# Altium PCB Rev5_FE_Test_V2.PCBDOC (part 2 of 2)
Units mm, origin at the board's own origin, x right, y up, seen from the top; angles counter-clockwise.
Board outline 100 x 23.5 mm, 6 copper layers (Top Layer, Int1 (GND), Int2 (Sign), Int3 (Sign), Int4 (GND), Bottom Layer), stack 1.49 mm thick; 160 components, 83 nets, 445 pads, 281 vias.
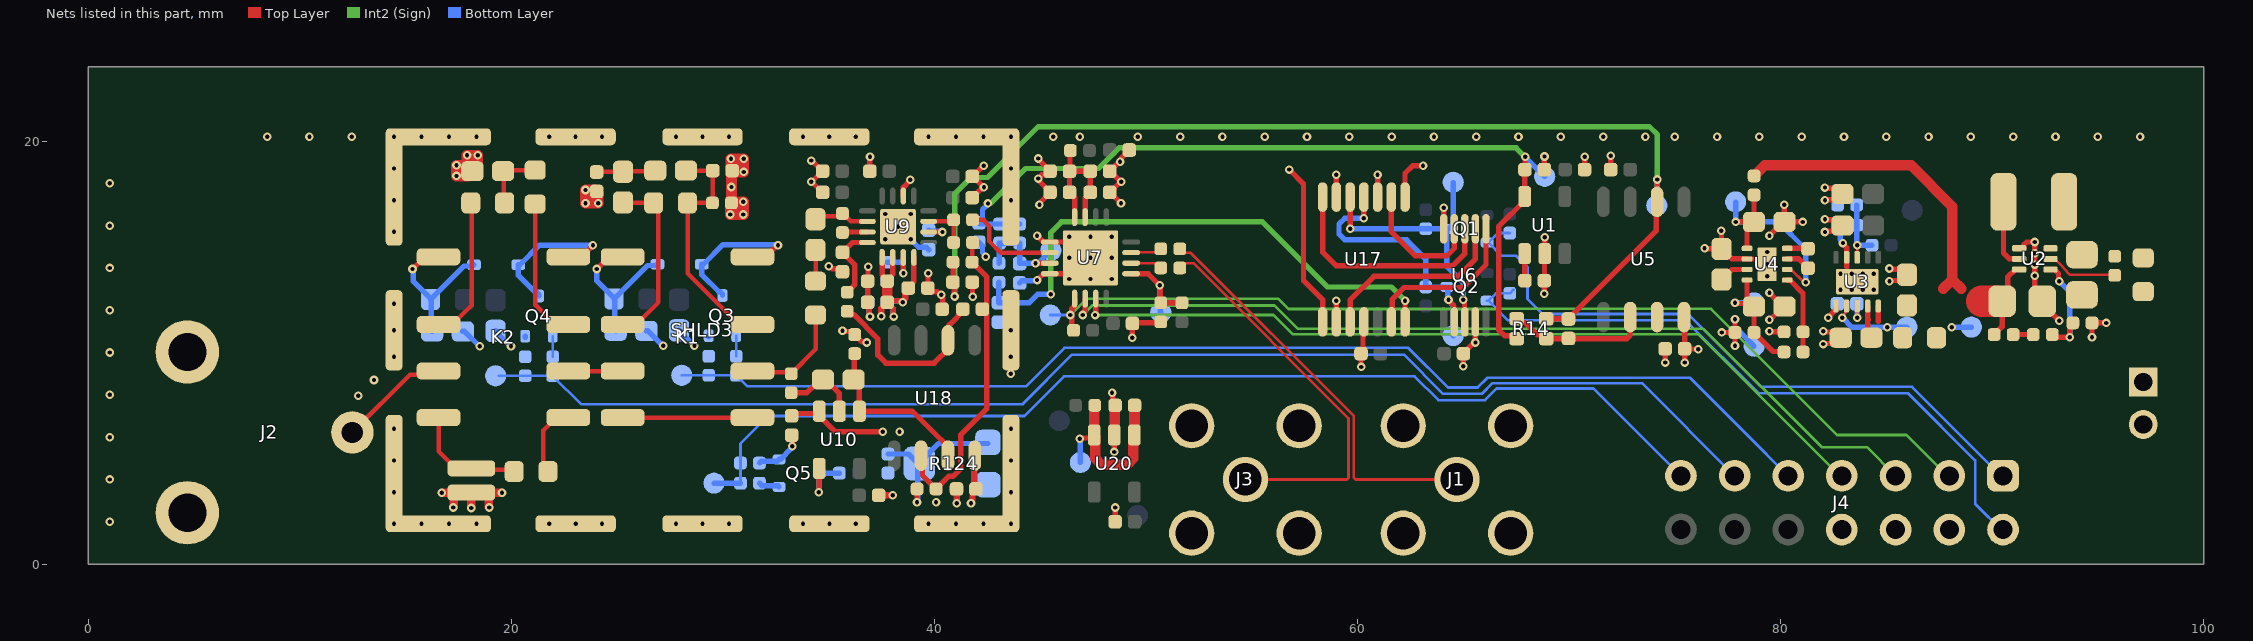
[diagram p6: the nets of this part, all layers, seen from the top]

## Via types
v1: diameter 0.406, hole 0.203, Top Layer to Bottom Layer, tented both sides, 281 vias

## Nets (pads, with @x,y where several pads share a name; then routed paths per layer and width w, separated by ;. In a path a pad name is that pad's centre, name@x,y a point inside that pad or via, vN(x,y) a via of type N, cw(c..) or ccw(c..) an arc to the next point about the centre after c; other vN are vias at no path point) (continued)
+5V2: C3.2 R7.1 R8.1 R10.2 TP4.1 U2.6 | length 20.3
  Top Layer w0.254: R8.1@78.75,18.35 R8.1@78.763,18.363 ; R10.2@90.1,10.85 90.475,11.225 C3.2@90.475,12.425 ; C3.2@90.45,12.45 C3.2@90.475,12.425 ; U2.6@91.285,13.925 91.1,13.925 90.737,13.562 90.737,12.687 C3.2@90.475,12.425
  Top Layer w0.5: R8.1@78.75,18.35 79.25,18.85 86.175,18.85 88.125,16.9 ; 87.7,13.025 88.075,13.4 88.125,13.4 88.125,16.85 ; 88.175,13.4 88.55,13.025 ; 89.525,12.425 89.525,12.45
  Top Layer w1.5: 89.525,12.425 C3.2@90.2,12.425
  Bottom Layer w0.254: v1(88.1,11.2) TP4.1@89.025,11.2
+VBIAS: C18.1 C130.1 R14.2 R118.2 R119.1 TP17.1 U1.5 | length 40.7
  Top Layer w0.254: R14.2@67.525,10.655 67.394,10.786 66.964,10.786 66.675,11.075 66.675,15.95 67.9,17.175 U1.5@67.9,17.375 67.9,18.685 67.92,18.705 67.92,19.245 v1(67.925,19.25)
  Int2 (Sign) w0.254: v1(42.525,17.05) 42.554,17.079 42.679,17.079 44.3,18.7 47.75,18.7 48.725,19.675 67.5,19.675 v1(67.925,19.25)
  Bottom Layer w0.254: v1(42.525,17.05) 42.525,17.009 42.273,16.756 42.273,16.308 C130.1@42.1,16.135 42.16,16.075 R118.2@43.075,16.075 R119.1@44.025,16.075 ; v1(67.925,19.25) TP17.1@68.85,18.325
+VPGA: C32.2 C33.2 C34.2 C35.2 FB8.1 U7.3 U7.4 | length 6.6
  Top Layer w0.25: C34.2@46.385,18.594 C32.2@46.385,17.575 46.385,17.556 46.625,17.316 U7.4@46.625,16.4 ; FB8.1@46.405,19.57 FB8.1@46.425,19.55 46.405,19.53 46.405,18.595 C34.2@46.385,18.575 C35.2@47.365,18.575 ; U7.3@47.125,16.4 47.125,17.316 47.365,17.556 C33.2@47.365,17.575 C35.2@47.365,18.575 ; C35.2@47.345,18.595 C35.2@47.365,18.575
+VUSB: J12.1 R3.2
-5V: C14.2 C102.2 C108.2 C109.1 C110.1 C124.1 C127.2 C128.2 R9.2 R55.2 TP15.1 U5.4 U9.5 U9.6 U9.8 U9.10 U10.3 U18.4 | length 26.5
  Top Layer w0.127: C108.2@37.76,13.375 C108.2@37.76,13.427 ; C127.2@38.765,13.05 C127.2@38.765,13.102
  Top Layer w0.25: U9.5@37.525,14.5 37.525,13.662 37.76,13.427 38.025,13.692 U9.6@38.025,14.5 ; C109.1@37.76,12.375 37.885,12.5 37.934,12.451 38.369,12.451 38.445,12.375 v1(38.5,12.375) ; C109.1@37.854,12.263 38.054,12.063 38.054,11.721 v1(38.075,11.7) ; C127.2@38.765,13.102 39.025,13.362 U9.8@39.025,14.5 ; U9.10@39.725,15.7 v1(40.375,15.7) ; U5.4@75.435,11.675 75.47,11.64 75.47,9.53 v1(75.475,9.525) ; C14.2@75.478,10.163 76.103,10.163 v1(76.115,10.15) ; v1(77.22,10.95) R9.2@77.85,10.95 ; v1(77.85,10.32) R9.2@77.85,10.95 ; v1(77.85,11.58) R9.2@77.85,10.95
  Top Layer w0.254: C128.2@33.25,7.01 33.358,7.118 34.379,7.118 U10.3@34.379,7.01 ; U10.3@34.55,7.225 34.55,7.181 U10.3@34.379,7.01 ; v1(37.55,6.25) 35.325,6.25 34.69,6.885 34.69,7.01 U10.3@34.379,7.01
  Top Layer w0.3: v1(37.487,11.712) 37.487,12.096 37.752,12.361 C109.1@37.752,12.367 ; v1(38.5,12.375) 38.5,12.418 38.623,12.541 38.623,12.908 C127.2@38.765,13.05 ; v1(41.725,2.875) 41.725,2.904 41.796,2.975 C124.1@41.796,3.381 ; C124.1@41.88,3.605 U18.4@41.88,5.1 ; U18.4@41.93,5.1 U18.4@41.955,5.125 ; C124.1@41.943,3.518 C124.1@41.975,3.55
  Top Layer w0.5: C109.1@37.76,12.375 C108.2@37.76,13.375
  Bottom Layer w0.25: v1(37.487,11.712) 37.471,11.727 37.471,12.067 37.76,12.356 C102.2@37.76,12.37 ; R55.2@37.75,13.375 37.755,13.37 C102.2@37.755,12.38 ; v1(38.075,11.7) 38.045,11.73 38.045,12.085 C102.2@37.76,12.37 ; v1(38.5,12.375) 38.457,12.375 38.385,12.448 37.833,12.448 C102.2@37.76,12.375 C102.2@37.76,12.37 ; C110.1@39.725,15.785 39.78,15.73 40.345,15.73 v1(40.375,15.7) ; v1(77.22,10.95) 78.1,10.95 TP15.1@78.75,10.3
-VBIAS: C28.1 C100.1 R14.4 R99.1 TP19.1 U5.6 | length 53.9
  Top Layer w0.25: R99.1@40.875,14.275 40.87,14.27 40.87,13.33 C28.1@40.865,13.325 C28.1@40.92,13.27
  Top Layer w0.254: C28.1@40.865,13.325 40.921,13.269 40.921,12.679 v1(40.95,12.65) ; R99.1@40.865,14.275 R99.1@40.87,14.27 ; R14.4@68.925,11.595 68.93,11.59 69.97,11.59 C100.1@69.975,11.585 69.975,11.603 74.117,15.745 74.117,17.077 U5.6@74.165,17.125 74.17,17.13 74.17,18.175 v1(74.176,18.18)
  Int2 (Sign) w0.254: v1(40.95,12.65) 40.95,17.5 41.728,18.278 42.503,18.278 44.9,20.675 73.8,20.675 74.176,20.299 v1(74.176,18.18)
  Bottom Layer w0.254: v1@40.945,12.645 v1(40.95,12.65) ; TP19.1@74.15,16.95 74.163,16.963 v1@74.163,17.992
ATTEN_4: J4.9 R47.2 R49.2 TP22.1 | length 56.2
  Bottom Layer w0.127: TP22.1@28.05,8.925 R49.2@29.325,8.925 R47.2@30.625,8.925 31.15,8.4 44.325,8.4 46.15,10.225 62.4,10.225 64.275,8.35 65.682,8.35 66.14,8.808 75.722,8.808 78.371,6.159 J4.9@80.36,4.17
ATTEN_OUT: K1.6 R54.1 R96.2 | length 5.3
  Top Layer w0.213: K1.6@31.395,9.125 31.457,9.062 33.163,9.062 R96.2@33.225,9 34.375,10.15 R54.1@34.375,11.775 R54.1@34.425,11.775
  Top Layer w0.254: K1.6@31.395,8.925 K1.6@31.433,8.962 ; R96.2@33.188,8.962 R96.2@33.225,9
DC_CPL_4: J4.13 R126.2 R127.2 TP26.1 | length 51.3
  Bottom Layer w0.127: R126.2@30.825,3.825 R127.2@30.825,4.775 30.825,5.7 32.125,7 44.25,7 46.125,8.875 62.7,8.875 63.825,7.75 66.025,7.75 66.575,8.3 71.162,8.3 J4.13@75.292,4.17
  Bottom Layer w0.254: TP26.1@29.575,3.825 R126.2@30.825,3.825
DC_CPLn: Q5.1 R125.1 U10.4 | length 3
  Top Layer w0.254: v1(34.525,3.4) 34.538,3.413 34.538,4.513 U10.4@34.55,4.525 ; U10.4@34.55,4.65 U10.4@34.563,4.638
  Bottom Layer w0.254: v1(34.525,3.4) 34.538,3.412 34.538,4.288 Q5.1@34.55,4.3 R125.1@35.5,4.3
FE_EN: R6.1 U2.2 | length 3.3
  Top Layer w0.127: U2.2@92.765,14.425 92.844,14.346 93.004,14.346 93.044,14.346 U2.2@93.078,14.322 ; 93.104,14.296 93.135,14.265 93.288,14.113 93.291,14.11 93.634,13.718 93.677,13.675 93.73,13.675 95.8,13.675 R6.1@95.806,13.675
GND: C1.1 C2.1 C3.1 C4.1 C5.1 C6.1 C7.1 C8.1 C10.1 C11.1 C12.2 C13.1 C14.1 C16.1 C17.2 C18.2 C19.1 C20.2 C22.1 C23.1 C24.1 C25.1 C28.2 C29.1 C31.2 C32.1 C33.1 C34.1 C35.1 C36.1 C37.1 C38.2 C39.2 C40.1 C63.2 C64.1 C78.1 C101.1 C102.1 C107.1 C108.1 C109.2 C110.2 C124.2 C125.1 C126.1 C127.1 C128.1 C130.2 C131.2 C132.1 J1.2 J2.2 J3.2 J4.4 J4.6 J4.8 J12.2 Q3.3 Q4.3 Q5.3 R2.2 R13.1 R26.1 R27.1 R35.1 R41.1 R49.1 R50.1 R105.1 R122.1 R123.1 R124.3 R127.1 SHLD3.1 U1.2 U2.4 U3.4 U3.6 U3.11 U4.2 U4.9 U5.3 U6.4 U6.10 U7.5 U7.8 U7.17 U9.14 U9.17 U17.3 U17.6 U17.11 U20.2 | length 98.3
  Top Layer w0.25: v1(34.167,18.075) v1@34.197,18.075 ; v1@34.198,19.075 C38.2@34.697,18.575 ; C63.2@34.715,17.57 34.702,17.57 v1@34.197,18.075 ; C38.2@34.715,18.575 C38.2@34.697,18.575 ; v1(35.65,11.025) 35.68,10.995 R122.1@36.093,10.995 ; R122.1@36.225,10.85 36.236,10.85 36.581,10.505 36.745,10.505 v1@36.775,10.475 ; v1(36.875,14.051) 36.858,14.033 36.858,13.393 C108.1@36.84,13.375 C109.2@36.84,12.375 36.92,12.295 36.92,11.73 v1(36.95,11.7) ; C64.1@36.94,18.575 36.945,18.58 36.945,19.246 v1(36.95,19.251) ; v1(39.7,13.75) 39.693,13.743 39.693,13.058 C127.1@39.685,13.05 39.858,12.877 40.131,12.877 40.283,12.725 v1(40.325,12.725) 40.325,12.683 40.396,12.612 C37.1@40.396,12.332 ; C28.2@41.785,13.325 41.8,13.31 41.8,12.65 v1(41.815,12.635) ; v1(44.85,13.425) 45.15,13.725 U7.8@45.45,13.725 U7.17@46.625,13.725 ; v1(44.85,15.525) 45.15,15.225 U7.5@45.45,15.225 U7.17@46.625,15.225 ; v1@34.198,18.075 C38.2@34.697,18.575
  Top Layer w0.254: v1(35,14.075) 35.041,14.075 35.154,13.962 35.485,13.962 C29.1@35.632,13.815 ; U9.14@38.525,17.4 38.527,17.402 38.527,17.811 38.85,18.134 v1(38.85,18.175) ; C39.2@41.785,18.325 C39.2@41.803,18.325 ; C78.1@41.93,17.18 C78.1@41.785,17.325 41.803,17.325 42.299,17.821 v1@42.307,17.821 ; v1(42.325,18.825) 42.303,18.825 C39.2@41.803,18.325 ; v1(42.336,17.821) v1@42.307,17.821 ; v1(44.9,19.175) 44.9,19.158 45.465,18.592 C34.1@45.465,18.575 45.292,18.402 45.077,18.402 v1(44.9,18.225) 44.929,18.196 44.929,18.124 45.465,17.588 45.465,17.557 44.99,17.082 44.99,17.022 v1(44.961,16.993) ; C33.1@48.285,17.575 C33.1@48.293,17.575 ; C35.1@48.293,18.575 C35.1@48.303,18.575 ; v1(48.397,8.097) 48.426,8.067 48.426,7.614 C125.1@48.54,7.5 ; v1(48.5,5.3) U20.2@48.5,6.1 ; C126.1@48.54,2 48.54,2.665 v1(48.55,2.675) ; v1(48.818,17.059) 48.809,17.059 C33.1@48.293,17.575 ; v1(48.836,18.079) v1@48.807,18.079 ; C132.1@49.21,19.575 49.21,19.557 48.804,19.151 48.804,19.054 v1(48.775,19.025) 48.753,19.025 C35.1@48.303,18.575 ; v1(49.35,10.699) 49.355,10.704 49.355,11.37 49.397,11.412 50.663,11.412 R2.2@50.7,11.45 ; U17.6@59,17.35 v1(59,18.4) ; v1@60.165,9.326 C107.1@60.165,9.95 60.263,10.047 60.263,11.412 U17.11@60.3,11.45 ; U17.3@60.95,17.35 v1(60.95,18.4) ; U6.10@64.075,15.85 v1(64.075,16.85) ; v1(64.995,9.35) 65.003,9.357 65.003,9.975 65.474,10.446 65.546,10.446 v1(65.575,10.475) U6.4@65.575,11.45 ; v1(68.825,12.775) 68.83,12.78 68.83,13.395 C19.1@68.835,13.4 68.842,13.407 68.842,14.667 U1.2@68.85,14.675 v1(68.85,15.45) ; C18.2@68.83,18.595 C18.2@68.835,18.6 ; C18.2@68.838,18.597 C18.2@68.835,18.6 ; v1(68.84,19.27) 68.838,19.268 68.838,18.602 C18.2@68.835,18.6 ; C17.2@70.735,18.65 70.743,18.658 70.743,19.243 v1(70.75,19.25) ; C12.2@71.97,18.65 71.973,18.653 71.973,19.298 v1(71.975,19.3) ; C14.1@74.545,10.175 74.548,10.173 74.548,9.527 v1(74.55,9.525) ; v1(76.41,14.925) 76.423,14.913 77.203,14.913 C11.1@77.208,14.908 ; v1(77.2,15.756) 77.208,15.748 C11.1@77.208,14.908 ; U4.2@78.416,14.425 78.825,14.425 ; U4.2@78.416,14.426 77.7,14.426 77.225,14.901 C11.1@77.216,14.901 C11.1@77.208,14.908 ; v1(79.475,11) 79.487,10.988 80.153,10.988 R13.1@80.166,10.976 ; v1(79.475,11.55) 79.495,11.55 80.121,12.176 C5.1@80.133,12.176 ; v1(79.475,12.825) 79.483,12.825 C5.1@80.133,12.176 ; v1(79.475,15.525) 80.126,16.176 C8.1@80.191,16.176 80.183,16.183 80.183,16.973 v1(80.175,16.981) ; C5.1@80.191,12.176 C5.1@80.133,12.176 ; C8.1@80.191,16.176 v1(81.046,16.175) ; v1(82.025,10.4) 82.054,10.429 82.579,10.429 C7.1@82.85,10.7 82.579,10.971 82.054,10.971 v1(82.025,11) ; v1(82.1,15.7) 82.129,15.729 C10.1@82.654,15.729 ; v1(82.1,16.3) 82.129,16.271 C10.1@82.654,16.271 ; v1(82.1,17.2) 82.129,17.229 C22.1@82.654,17.229 ; v1(82.1,17.8) 82.129,17.771 C22.1@82.654,17.771 ; v1(82.25,11.65) 82.625,12.025 U3.6@82.625,12.2 ; v1(82.95,15.175) 82.95,15.134 83.123,14.961 U3.4@83.125,14.5 U3.4@83.125,14.5 83.125,14.05 ; v1(85.15,13.375) 85.179,13.404 C6.1@85.704,13.404 ; v1(85.15,13.975) 85.179,13.946 C6.1@85.704,13.946 ; U2.4@91.285,14.925 91.47,14.925 91.493,14.948 91.493,15.076 91.642,15.225 v1(92.025,15.225) v1(92.025,14.692) v1(92.025,14.158) v1(92.025,13.625) 92.025,12.775 C3.1@92.375,12.425 ; C3.1@92.475,12.325 C3.1@92.375,12.425 ; v1(93.175,11.5) 93.175,11.513 92.375,12.312 C3.1@92.375,12.425 ; v1(94.725,10.725) R105.1@94.725,11.4 v1(95.4,11.4) ; C39.2@41.803,18.325 v1@42.307,17.821 ; C33.1@48.293,17.575 48.303,17.575 v1@48.807,18.079 ; C35.1@48.303,18.575 48.799,18.079 v1@48.807,18.079
  Top Layer w0.3: C128.1@33.255,6.045 33.263,6.038 33.263,5.579 v1(33.275,5.567) ; C101.1@37.365,3.205 37.41,3.25 v1(38.025,3.25) ; C124.2@41.023,3.528 41.045,3.505 41.045,2.88 v1(41.05,2.875)
  Top Layer w0.4: v1(16.7,3.375) R41.1@18.1,3.375 ; v1(17.25,2.675) 17.271,2.696 17.271,3.126 17.52,3.375 R41.1@18.1,3.375 ; v1(18.1,2.65) R41.1@18.1,3.375 ; v1(18.95,2.675) 18.929,2.696 18.929,3.126 18.68,3.375 R41.1@18.1,3.375 ; v1(19.55,3.375) R41.1@18.1,3.375
  Top Layer w0.508: C20.2@17.95,18.35 v1(17.4,18.35) v1(17.4,18.85) C20.2@17.9,18.85 ; C20.2@17.95,18.85 C20.2@17.9,18.85 ; C20.2@18.1,18.575 17.9,18.775 C20.2@17.9,18.85 ; C20.2@18.225,18.6 18.4,18.775 v1(18.4,19.325) v1(17.9,19.325) C20.2@17.9,18.85 ; R35.1@30.4,17.2 v1(30.4,17.825) ; v1(30.4,17.825) C23.1@30.4,18.565 ; U20.2@48.5,6.1 48.52,6.12 48.52,7.48 C125.1@48.54,7.5 ; v1@23.5,17.075 v1(23.5,17.06) v1(24.1,17.06) 24.1,17.575 C16.1@24.05,17.625 ; v1@23.5,17.075 v1(23.5,17.685) 23.99,17.685 C16.1@24.05,17.625 ; v1@23.5,17.075 C16.1@24.05,17.625 ; R35.1@30.4,17.075 v1@30.95,16.525 ; R35.1@30.4,17.075 30.34,17.015 v1(30.34,16.525) v1@30.95,16.525 ; R35.1@30.4,17.075 30.45,17.125 v1(30.965,17.125) v1(30.965,16.525) v1@30.95,16.525 ; C23.1@30.425,18.6 30.375,18.65 v1(30.375,19.165) v1(30.975,19.165) v1@30.975,19.15 ; C23.1@30.425,18.6 30.485,18.54 v1(30.975,18.54) v1@30.975,19.15 ; C23.1@30.425,18.6 v1@30.975,19.15
  Bottom Layer w0.25: C31.2@44.025,13.29 44.13,13.395 44.82,13.395 v1(44.85,13.425)
  Bottom Layer w0.254: C4.1@17.7,11 17.775,11 18.475,10.3 v1(18.5,10.3) ; C1.1@19.25,11.025 19.25,11 19.95,10.3 v1(19.975,10.3) ; Q4.3@20.65,10.71 Q4.3@20.65,10.775 ; C25.1@26.375,11.025 26.45,11.025 27.15,10.325 v1(27.175,10.325) ; C24.1@27.925,11.05 27.925,11.025 28.625,10.325 v1(28.65,10.325) ; Q3.3@29.325,10.735 Q3.3@29.325,10.8 ; R127.1@31.725,4.775 31.812,4.862 32.562,4.862 Q5.3@32.65,4.95 32.715,4.95 33.246,5.481 33.246,5.538 v1(33.275,5.567) ; C102.1@36.84,12.375 36.921,12.294 36.921,11.729 v1(36.95,11.7) ; v1(38.875,15.35) 39.256,14.969 39.621,14.969 C110.2@39.725,14.865 ; C130.2@42.1,15.215 42.273,15.042 42.273,14.719 42.425,14.566 v1(42.425,14.525) ; R27.1@82.7,16.025 82.822,15.903 82.822,15.344 82.95,15.216 v1(82.95,15.175)
  other v1: 14.45,1.9 15.75,1.9 17.05,1.9 18.35,1.9 21.783,1.905 23.033,1.905 24.283,1.905 27.783,1.905 29.033,1.905 30.283,1.905 33.783,1.905 35.033,1.905 36.283,1.905 39.715,1.9 41.015,1.9 42.315,1.9 43.615,1.9 1,2 40.075,2.92 14.45,3.4 43.615,3.4 1,4 14.45,4.9 43.615,4.9 1,6 38.35,6.25 14.45,6.4 43.615,6.4 12.75,7.95 1,8 13.5,8.7 43.61,9 60.171,9.321 14.45,9.8 43.61,9.8 1,10 36.8,10.475 14.45,11.05 43.61,11.05 1,12 14.45,12.3 82.84,12.975 83.365,12.975 83.89,12.975 84.415,12.975 46.375,13.475 47.375,13.475 48.375,13.475 79.375,13.6 82.84,13.725 83.365,13.725 83.89,13.725 84.415,13.725 1,14 79.375,14.175 46.375,14.475 47.375,14.475 48.375,14.475 79.375,14.75 37.675,15.35 46.375,15.475 47.375,15.475 48.375,15.475 14.448,15.705 38.275,15.95 1,16 37.675,16.55 38.875,16.55 14.448,17.205 43.613,17.205 1,18 14.448,18.705 43.613,18.705 34.167,19.075 8.448,20.205 10.448,20.205 12.448,20.205 14.448,20.205 15.748,20.205 17.048,20.205 18.348,20.205 21.78,20.2 23.03,20.2 24.28,20.2 27.78,20.2 29.03,20.2 30.28,20.2 33.78,20.2 35.03,20.2 36.28,20.2 39.713,20.205 41.013,20.205 42.313,20.205 43.613,20.205 45.613,20.205 46.875,20.205 49.613,20.205 51.613,20.205 53.613,20.205 55.613,20.205 57.613,20.205 59.613,20.205 61.613,20.205 63.613,20.205 65.613,20.205 67.613,20.205 69.613,20.205 71.613,20.205 73.613,20.205 75,20.2 77,20.2 79,20.2 81,20.2 83,20.2 85,20.2 87,20.2 89,20.2 91,20.2 93,20.2 95,20.2 97,20.2
NetC2_2: C2.2 L1.1 R3.1 R6.2 U2.3
NetC4_2: C4.2 D3.1 K2.1 R5.1 | length 7.4
  Top Layer w0.254: v1@15.333,13.95 K2.1@15.908,14.525 ; K2.1@16.085,14.65 K2.1@16.555,14.65
  Bottom Layer w0.254: v1@15.333,13.963 v1(15.32,13.95) ; v1@15.36,13.95 v1(15.32,13.95) ; R5.1@16.175,12.5 16.212,12.462 16.212,11.037 C4.2@16.25,11 ; D3.1@18.225,14.15 18.164,14.089 17.754,14.089 16.175,12.51 16.175,12.55 15.349,13.376 15.349,13.921 v1(15.32,13.95)
NetC5_2: C5.2 R9.1 R11.2 TP12.1 U4.4 | length 6.1
  Top Layer w0.254: v1(77.85,12.35) 77.879,12.321 C5.2@78.595,12.321 ; U4.4@78.416,13.426 78.416,12.501 C5.2@78.595,12.321 ; R11.2@80.166,10.026 80.14,10.051 79.649,10.051 R9.1@78.75,10.95 78.745,10.955 78.745,12.171 C5.2@78.741,12.176 C5.2@78.595,12.321
  Bottom Layer w0.254: v1(77.85,12.35) TP12.1@78.75,12.35
NetC6_2: C6.2 C7.2 R7.2 TP2.1 U3.7 U3.9 U3.10 | length 6.2
  Top Layer w0.127: v1(82.925,11.65) 82.925,11.725 83.063,11.864 83.063,12.138 U3.7@83.125,12.2
  Top Layer w0.254: U3.9@84.125,12.2 84.125,11.575 ; 84.15,11.55 84.125,11.575 ; C7.2@84.3,10.7 84.125,10.875 84.125,11.575 ; 84.625,11.475 U3.10@84.625,12.2
  Bottom Layer w0.254: v1(82.925,11.65) 83.382,11.193 85.043,11.193 v1(85.05,11.2) TP2.1@85.975,11.2
NetC8_2: C8.2 R8.2 TP11.1 U4.1 U4.6 | length 11
  Top Layer w0.127: U4.6@80.316,13.926 80.377,13.864 80.561,13.864 81.055,13.37 81.138,13.37 v1(81.192,13.317)
  Top Layer w0.254: v1(77.885,16.175) C8.2@78.741,16.176 ; U4.1@78.416,14.926 78.416,15.851 C8.2@78.741,16.176 ; R8.2@78.75,17.45 78.745,17.445 78.745,16.18 C8.2@78.741,16.176
  Bottom Layer w0.254: TP11.1@77.885,17.113 v1(77.885,16.175) 79.9,16.175 81.192,14.883 v1(81.192,13.317)
NetC9_1: C9.1 U4.7 | length 1.2
  Top Layer w0.254: U4.7@80.316,14.426 80.864,14.426 C9.1@81.3,13.99
NetC9_2: C9.2 U4.8 | length 1
  Top Layer w0.254: U4.8@80.316,14.926 80.318,14.924 81.286,14.924 C9.2@81.3,14.91
NetC11_2: C11.2 U4.3 | length 1.4
  Top Layer w0.254: C11.2@77.216,13.451 77.225,13.451 77.7,13.926 U4.3@78.416,13.926
NetC15_1: C15.1 C23.2 K1.7 R32.2 R35.2 | length 10.7
  Top Layer w0.213: C15.1@28.25,18.6 C23.2@29.515,18.6 29.508,18.593 29.508,17.083 R35.2@29.5,17.075 R32.2@28.325,17.075 28.325,13.75 K1.7@30.75,11.325
NetC15_2: C15.2 C16.2 C21.1 | length 3
  Top Layer w0.213: C16.2@24.025,18.535 24.032,18.543 C21.1@25.267,18.543 ; C21.1@25.13,18.405 C21.1@25.267,18.543 ; C15.2@26.8,18.6 26.775,18.575 25.3,18.575 C21.1@25.275,18.55 C21.1@25.267,18.543
NetC19_2: C19.2 U1.1 | length 1.3
  Top Layer w0.254: U1.1@67.9,14.675 67.907,14.668 67.907,13.433 C19.2@67.915,13.425
NetC20_1: C20.1 R30.1 R31.2 | length 3
  Top Layer w0.213: C20.1@19.6,18.575 19.637,18.537 19.637,17.112 R31.2@19.675,17.075 ; C20.1@19.62,18.625 R30.1@21.12,18.625
NetC21_2: C21.2 K1.2 R32.1 | length 8.4
  Top Layer w0.213: K1.2@25.255,11.325 25.9,11.325 26.95,12.375 26.95,16.85 R32.1@26.725,17.075 ; C21.2@25.275,17.1 25.288,17.087 26.713,17.087 R32.1@26.725,17.075 ; R32.1@26.763,17.113 R32.1@26.725,17.075
NetC25_2: C25.2 D2.1 K1.1 R16.2 | length 7.6
  Top Layer w0.254: v1(24.025,13.95) 24.038,13.95 24.612,14.525 K1.1@25.255,14.525
  Bottom Layer w0.254: v1@24.008,13.988 v1@23.995,13.975 ; v1(24.025,13.95) v1@24.063,13.95 ; v1@24.035,13.975 v1@23.995,13.975 ; R16.2@24.85,12.525 24.887,12.487 24.887,11.062 C25.2@24.925,11.025 ; D2.1@26.9,14.175 26.839,14.114 26.429,14.114 24.85,12.535 24.85,12.575 24.024,13.401 24.024,13.946 v1@23.995,13.975
NetC26_1: C26.1 R65.2 U9.2 | length 2.8
  Top Layer w0.213: C26.1@34.375,16.411 C26.1@34.375,16.3 34.513,16.438 35.512,16.438 R65.2@35.65,16.575 35.664,16.575 36.039,16.2 U9.2@36.825,16.2
NetC26_2: C26.2 R54.2 | length 1.5
  Top Layer w0.213: R54.2@34.375,13.375 C26.2@34.375,14.85
NetC27_1: C27.1 R96.1 U10.2 | length 3.6
  Top Layer w0.254: R96.1@33.225,8.1 33.975,8.1 34.32,8.445 34.335,8.445 34.725,8.835 34.725,8.85 35.493,8.082 35.493,7.357 U10.2@35.5,7.35
NetC27_2: C27.2 R122.2 U10.1 U18.3 | length 7.6
  Top Layer w0.25: 39.86,6.325 40.635,5.55 U18.3@40.635,5.125
  Top Layer w0.254: C27.2@36.175,8.725 36.2,8.75 36.2,9.925 R122.2@36.225,9.95 ; U10.1@36.45,7.225 38.96,7.225 39.86,6.325 ; U10.1@36.45,7.562 C27.2@36.45,8.575
NetC29_2: C29.2 R100.1 U9.4 | length 3.6
  Top Layer w0.25: R100.1@35.875,12.85 36.225,13.2 36.225,14.16 C29.2@35.65,14.735 35.656,14.735 36.121,15.2 U9.4@36.825,15.2
NetC30_1: C30.1 R100.2 U18.6 | length 8.7
  Top Layer w0.254: R100.2@35.875,11.95 36.034,11.791 36.184,11.791 37.325,10.65 37.325,9.875 37.7,9.5 39.985,9.5 40.701,10.216 40.701,11.311 C30.1@41.44,12.05
NetC30_2: C30.2 R98.1 R99.2 R121.2 U18.2 | length 15.4
  Top Layer w0.213: R99.2@41.775,14.275 41.788,14.288 41.788,15.188 R98.1@41.8,15.2
  Top Layer w0.25: R99.2@41.775,14.275 42.475,13.575 C30.2@42.475,12.265 ; C30.2@42.26,12.05 C30.2@42.475,12.265 ; 42.475,11.6 C30.2@42.475,12.265
  Top Layer w0.254: U18.2@39.365,5.125 39.431,5.059 39.431,4.194 R121.2@40.075,3.55 40.671,4.146 40.864,4.146 41.245,4.526 41.245,6.12 42.475,7.35 42.475,11.6 ; C30.2@42.459,11.951 C30.2@42.459,12.149
NetC31_1: C31.1 FB7.2 R118.1 R119.2 TP25.1 U7.7 | length 5.3
  Top Layer w0.25: v1@44.761,14.225 v1(44.775,14.225) U7.7@45.45,14.225
  Bottom Layer w0.254: FB7.2@43.05,14.225 43.063,14.238 43.063,15.162 R118.1@43.075,15.175 R119.2@44.025,15.175 C31.1@44.025,14.21 44.033,14.217 44.768,14.217 44.804,14.254 44.929,14.254 TP25.1@45.5,14.825
NetC40_2: C40.2 U3.8 | length 1.3
  Top Layer w0.127: v1(83.625,11.65) U3.8@83.625,12.2
  Bottom Layer w0.254: C40.2@83.61,12.4 83.617,12.393 83.617,11.658 v1(83.625,11.65)
NetC125_2: C125.2 R117.2 TP52.1 U20.1 U20.3 | length 9
  Top Layer w0.254: v1(46.868,5.93) 46.897,5.959 47.409,5.959 U20.3@47.55,6.1
  Top Layer w0.5: R117.2@47.575,7.5 47.563,7.488 47.563,6.113 U20.3@47.55,6.1 47.6,6.05 47.6,4.993 47.893,4.7 49.107,4.7 49.4,4.993 49.4,6.05 49.455,6.105 49.455,7.495 C125.2@49.46,7.5
  Bottom Layer w0.254: v1(46.868,5.93) 46.884,5.914 46.884,4.816 TP52.1@46.9,4.8
NetD2_2: D2.2 K1.8 Q3.1 | length 7.3
  Top Layer w0.254: K1.8@31.395,14.525 32.037,14.525 32.588,15.075 v1(32.6,15.075)
  Bottom Layer w0.254: Q3.1@29.975,12.7 29.975,12.765 29.867,12.873 29.802,12.873 29,13.675 D2.2@29,14.175 29.075,14.175 30,15.1 32.575,15.1 v1(32.6,15.075)
NetD3_2: D3.2 K2.8 Q4.1 | length 7.2
  Top Layer w0.254: K2.8@22.699,14.646 23.431,14.646 23.85,15.065 v1(23.85,15.075)
  Bottom Layer w0.254: Q4.1@21.3,12.675 21.3,12.74 21.192,12.848 21.127,12.848 20.325,13.65 D3.2@20.325,14.15 20.4,14.15 21.325,15.075 v1(23.85,15.075)
NetJ2_1: J2.1 K2.3 | length 5.3
  Top Layer w0.213: J2.1@12.475,6.225 15.201,8.951 16.376,8.951 K2.3@16.55,9.125
NetK1_3: K1.3 K2.6 | length 2.6
  Top Layer w0.213: K2.6@22.69,9.125 K1.3@25.255,9.125
NetK1_4: K1.4 K1.5 | length 6.1
  Top Layer w0.213: K1.4@25.255,6.925 K1.5@31.395,6.925
NetK2_2: K2.2 R31.1 | length 6.7
  Top Layer w0.213: K2.2@16.55,11.325 17.2,11.325 18.12,12.245 R31.1@18.12,17.025
NetK2_4: K2.4 R29.1 R41.2 | length 5.6
  Top Layer w0.213: K2.4@16.55,6.925 16.55,5.331 17.356,4.525 R41.2@18.1,4.525 18.175,4.45 20.05,4.45 R29.1@20.125,4.375
NetK2_5: K2.5 R29.2 | length 4
  Top Layer w0.213: R29.2@21.725,4.375 21.5,4.6 21.5,6.314 K2.5@22,6.814 ; K2.5@22.05,6.764 K2.5@22.211,6.925 ; K2.5@22.69,6.925 K2.5@22.211,6.925 ; K2.5@22.695,7.05 22.336,7.05 K2.5@22.211,6.925
NetK2_7: K2.7 R30.2 | length 6.7
  Top Layer w0.213: R30.2@21.12,17.025 21.12,12.265 22.06,11.325 K2.7@22.69,11.325
NetL1_2: L1.2 U2.5 | length 3.3
  Top Layer w0.254: L1.2@90.54,17.125 90.54,14.71 90.819,14.431 91.279,14.431 U2.5@91.285,14.425
NetQ3_2: Q3.2 R47.1 | length 1
  Bottom Layer w0.127: R47.1@30.625,9.825 Q3.2@30.625,10.8
NetQ4_2: Q4.2 R48.1 | length 1
  Bottom Layer w0.127: R48.1@21.95,9.8 Q4.2@21.95,10.775
NetQ5_2: Q5.2 R126.1 | length 1
  Bottom Layer w0.254: R126.1@31.725,3.825 31.841,3.709 32.591,3.709 Q5.2@32.65,3.65
NetR10_1: R10.1 R12.2 | length 0.9
  Top Layer w0.254: R10.1@91,10.85 R12.2@91.95,10.85
NetR11_1: R11.1 R13.2 U4.5 | length 3.8
  Top Layer w0.254: U4.5@80.316,13.426 80.437,13.426 81.066,12.797 R13.2@81.066,10.976 R11.1@81.066,10.026
NetR12_1: R12.1 R105.2 U2.1 | length 5.3
  Top Layer w0.254: U2.1@92.765,13.925 92.95,13.925 93.146,13.729 93.146,13.404 v1(93.175,13.375) ; R12.1@92.85,10.85 92.98,10.72 v1(93.67,10.72) 93.67,11.245 R105.2@93.825,11.4
  Bottom Layer w0.254: v1(93.175,13.375) 93.67,12.88 v1(93.67,10.72)
NetR25_1: R25.1 R26.2 R27.2 U3.3 | length 3.2
  Top Layer w0.127: v1(83.625,15.075) U3.3@83.625,14.5 U3.3@83.641,14.516
  Bottom Layer w0.254: R26.2@83.6,16.975 R27.2@83.6,16.025 83.612,16.012 83.612,15.087 v1(83.625,15.075) R25.1@84.325,15.075
NetR55_1: R55.1 U9.7 | length 2
  Top Layer w0.127: U9.7@38.525,14.5 U9.7@38.528,14.497 ; v1@38.528,13.745 v1(38.53,13.742)
  Top Layer w0.25: v1@38.528,13.745 U9.7@38.528,14.497
  Bottom Layer w0.25: R55.1@37.75,14.275 38.384,14.275 38.53,14.129 v1(38.53,13.742)
NetR56_1: R56.1 R98.2 U9.11 | length 2.3
  Top Layer w0.213: U9.11@39.725,16.2 39.732,16.207 40.832,16.207 R56.1@40.9,16.275 R98.2@40.9,15.2
NetR56_2: R56.2 U7.6 | length 4.7
  Top Layer w0.213: R56.2@41.8,16.275 42.3,16.275 42.6,15.975 42.6,15.25 43.125,14.725 U7.6@45.45,14.725
NetR65_1: R65.1 U9.3 | length 1.2
  Top Layer w0.25: R65.1@35.65,15.675 35.675,15.7 U9.3@36.825,15.7
NetR121_1: R121.1 R123.2 R124.1 R124.2 | length 7.8
  Top Layer w0.254: v1(39.175,2.92) R121.1@39.175,3.55
  Bottom Layer w0.25: R123.2@37.8,5.2 38.775,5.2 39.275,4.7 R124.2@39.275,4.75 39.275,4.783 40.192,5.7 R124.1@42.525,5.7
  Bottom Layer w0.254: v1(39.175,2.92) 39.204,2.949 39.204,4.629 R124.2@39.275,4.7
OUT_N: R97.1 U7.14 | length 1.4
  Top Layer w0.127: U7.14@49.353,14.225 50.428,14.225 50.653,14 R97.1@50.7,14
OUT_P: R52.1 U7.15 | length 1.5
  Top Layer w0.127: U7.15@49.3,14.725 49.317,14.741 50.542,14.741 R52.1@50.7,14.9
OUT_R_N: J3.1 R97.2 | length 18.8
  Top Layer w0.127: R97.2@51.6,14 51.647,14 51.872,14.225 52.236,14.225 59.571,6.89 59.571,4.074 59.497,4 J3.1@54.7,4
OUT_R_P: J1.1 R52.2 | length 19.3
  Top Layer w0.127: R52.2@51.6,14.9 51.783,14.717 52.108,14.717 59.829,6.996 59.829,4.074 59.903,4 J1.1@64.7,4
PGA_CSn_4: J4.3 R51.1 TP24.1 U7.9 | length 48
  Top Layer w0.25: v1(46.425,11.775) 46.488,11.712 46.488,11.162 R51.1@46.6,11.05 ; v1@46.442,11.775 46.488,11.821 46.488,12.08 46.625,12.217 U7.9@46.625,12.55
  Int2 (Sign) w0.127: v1(46.425,11.775) 47.2,12.55 56.25,12.55 56.744,12.056 66.566,12.056 66.575,12.065 76.71,12.065 82.675,6.1 85.95,6.1 J4.3@87.98,4.07
  Bottom Layer w0.127: TP24.1@45.475,11.775 v1(46.425,11.775)
PGA_SCLK: J4.7 U7.11 | length 39.3
  Top Layer w0.25: v1(47.593,11.77) 47.625,11.802 U7.11@47.625,12.55
  Int2 (Sign) w0.127: v1(47.593,11.77) 56.03,11.77 56.931,10.869 76.101,10.869 J4.7@82.9,4.07
PGA_SDIO: J4.5 U7.10 | length 42.8
  Top Layer w0.25: v1(47.009,11.775) 47.009,11.864 47.125,11.98 U7.10@47.125,12.55
  Int2 (Sign) w0.127: v1(47.009,11.775) 47.459,12.225 56.075,12.225 57.177,11.123 76.352,11.123 81.95,5.525 84.085,5.525 J4.5@85.44,4.17
SCL: J4.2 Q2.3 R21.1 | length 31.5
  Bottom Layer w0.127: Q2.3@66.125,12.45 Q2.3@66.19,12.45 ; R21.1@67.375,12.975 R21.1@67.2,12.8 66.54,12.8 Q2.3@66.19,12.45 ; J4.2@90.52,1.53 89.2,2.85 89.2,4.9 86.025,8.075 78.951,8.075 75.501,11.525 67.115,11.525 Q2.3@66.19,12.45
SCL_5V: Q2.1 R23.1 TP20.1 U6.2 U17.4 | length 13.3
  Top Layer w0.254: v1(60.3,16.35) U17.4@60.3,17.35 ; v1(64.3,12.5) 64.3,12.459 64.557,12.202 64.557,11.468 U6.2@64.575,11.45
  Bottom Layer w0.254: v1(60.3,16.35) 59.4,16.35 59.125,16.075 59.125,15.6 59.4,15.325 62.325,15.325 63.225,14.425 R23.1@63.225,13.1 64.29,13.1 64.271,13.081 64.271,12.529 v1(64.3,12.5) 64.3,12.459 64.525,12.234 TP20.1@64.525,10.8
SDA: J4.1 Q1.3 R20.1 | length 31.1
  Bottom Layer w0.127: Q1.3@66.125,15.2 Q1.3@66.19,15.2 ; R20.1@67.2,15.65 66.64,15.65 Q1.3@66.19,15.2 ; J4.1@90.52,4.07 86.215,8.375 79.075,8.375 75.625,11.825 68.75,11.825 68.038,12.537 68.038,14.037 67.5,14.575 66.815,14.575 Q1.3@66.19,15.2
SDA_5V: Q1.1 R22.1 TP21.1 U6.3 U17.5 | length 13.2
  Top Layer w0.254: v1(59.65,15.85) U17.5@59.65,17.35 ; v1(65,12.5) 65,12.459 65.057,12.402 65.057,11.468 U6.3@65.075,11.45
  Bottom Layer w0.254: v1(59.65,15.85) R22.1@63.225,15.85 Q1.1@64.225,15.85 ; TP21.1@64.525,18.025 64.532,18.018 64.532,16.092 64.29,15.85 Q1.1@64.225,15.85 ; v1(65,12.5) 65,13.3 64.9,13.4 64.225,14.075 Q1.1@64.225,15.85
TERM_4: J4.11 R48.2 R50.2 TP23.1 | length 62.8
  Bottom Layer w0.127: TP23.1@19.4,8.9 R50.2@20.65,8.9 R48.2@21.95,8.9 23.3,7.55 44.15,7.55 46.5,9.9 62.2,9.9 64.05,8.05 65.875,8.05 66.379,8.554 73.448,8.554 J4.11@77.832,4.17
TRIM1: U17.1 | length 2.1
  Top Layer w0.25: U17.1@62.25,17.35 62.25,18.475 62.6,18.825 v1(63.1,18.825)
TRIM2: U17.8 | length 7.9
  Top Layer w0.25: v1(56.775,18.65) 57.45,17.975 57.45,13.4 58.35,12.5 U17.8@58.35,11.45
TRIM3: U17.9 | length 1.5
  Top Layer w0.25: U17.9@59,10.921 v1(59,12.45)
TRIM4: C131.1 FB7.1 U17.14 | length 26.1
  Top Layer w0.25: v1(62.25,12.45) U17.14@62.25,11.45 U17.14@62.288,11.412
  Int2 (Sign) w0.254: v1(45.5,12.75) 45.5,15.675 46,16.175 55.5,16.175 58.575,13.1 61.6,13.1 v1(62.25,12.45)
  Bottom Layer w0.254: FB7.1@43.05,13.325 43.038,13.313 43.038,12.373 C131.1@43.025,12.36 44.485,12.36 44.875,12.75 v1(45.5,12.75)
U5-: C100.2 R14.1 R14.3 U5.2 | length 6.4
  Top Layer w0.254: R14.1@67.525,11.595 67.698,11.422 67.913,11.422 68.508,10.828 68.752,10.828 R14.3@68.925,10.655 ; R14.3@68.93,10.66 69.97,10.66 C100.2@69.975,10.665 ; C100.2@70.22,10.66 72.732,10.66 72.881,10.809 72.881,11.661 U5.2@72.895,11.675
VCM: R1.1 R2.1 TP16.1 U7.13 | length 4.7
  Top Layer w0.254: U7.13@49.3,13.725 50.1,13.725 v1(50.65,13.175) 50.675,13.15 50.675,12.375 R2.1@50.7,12.35 R1.1@51.7,12.35
  Bottom Layer w0.254: v1(50.65,13.175) 50.675,13.15 50.675,11.925 TP16.1@50.7,11.9
VOUT1: U6.9 U17.2 | length 6.2
  Top Layer w0.254: U17.2@61.6,17.35 61.6,15.7 62.725,14.575 64.225,14.575 64.575,14.925 U6.9@64.575,15.85
VOUT2: U6.8 U17.7 | length 11
  Top Layer w0.254: U17.7@58.35,17.35 58.35,14.75 59,14.1 64.5,14.1 65.069,14.669 65.069,15.819 65.057,15.832 U6.8@65.075,15.85
VOUT3: U6.7 U17.10 | length 9.2
  Top Layer w0.254: U17.10@59.625,11.425 U17.10@59.65,11.45 59.65,12.475 60.775,13.6 64.75,13.6 65.575,14.425 U6.7@65.575,15.85
VOUT4: U6.6 U17.13 | length 7.9
  Top Layer w0.254: U17.13@61.6,11.45 61.625,11.425 61.638,11.438 61.638,12.512 62.2,13.075 65,13.075 66.075,14.15 U6.6@66.075,15.85
pads on no net: U3.5 U5.1 U5.5 U5.8 U6.5 U7.1 U7.2 U7.16 U9.9 U9.13 U9.16 U18.1 U18.5 U18.8 U20.4

## Polygon pours and split planes (outlines as drawn)
GND on Top Layer "GND_L05_P-001" (solid, remove dead copper, pour order 80): 0,0 0,25 108,25 108,0
NetC6_2 on Top Layer "NetC6_2_L01_P-001" (solid, pour order 110): 83.775,10.2 83.775,11.7 85.025,11.7 85.025,12.75 86.45,12.75 86.45,10.2
+5V on Top Layer "+5V_L01_P-001" (solid, pour order 109): 83.85,17.975 85.5,17.975 85.5,15.075 83.85,15.075
+5V2 on Top Layer "+5V2_L01_P-001" (solid, pour order 79): 86.925,13.175 89.5,13.175 89.5,10.2 86.925,10.2
NetC2_2 on Top Layer "NetC2_2_IN_L01_P-001" (solid, pour order 78): 93.025,18.485 98.5,18.485 98.5,14 97.2,14 93.025,14
+VUSB on Top Layer "+VUSB_L01_P-001" (solid, pour order 75): 96.625,13.325 96.625,10.225 95.8,10.225 95.8,7.6 98.5,7.6 98.5,13.325
-5V on Int3 (Sign) "-5V_L04_P107" (solid, pour order 107): 72.1,8.7 78.575,8.7 78.575,16.8 34.5,16.8 34.5,0.3 45.3,0.3 45.3,12.8 72.1,12.8
+3V3 on Int3 (Sign) "+3V3_L04_P-001" (solid, remove dead copper, pour order 106): 50.25,0 50.25,25 108,25 108,0
+5V on Int3 (Sign) "+5V_L04_P105" (solid, pour order 105): 88.2,23.2 82.2,23.2 33.775,23.2 33.775,0.3 37.1,0.3 37.1,16.825 78.575,16.825 78.575,8.7 72.1,8.7 72.1,12.8 50.8,12.8 45.3,12.8 45.3,0.3 48.2,0.3 48.2,11.1 50.8,11.1 50.8,9.1 69,9.1 69,7 88.2,7 88.2,8.7
GND on Int3 (Sign) "GND_L04_P100" (solid, pour order 100): 0,23.5 32.7,23.5 32.7,0 0,0
+3V3_PGA on Int3 (Sign) "+3V3_PGA_L04_P-001" (solid, pour order 91): 48.5,10 48.2,10.3 48.2,10.9 50.5,10.9 50.5,10.3 50.5,0.3 48.5,0.3
GND on Int4 (GND) "GND_L05_P-001" (solid, remove dead copper, pour order 51): 0,0 0,25 108,25 108,0
GND on Int1 (GND) "GND_L05_P-001" (solid, remove dead copper, pour order 52): 0,0 0,25 108,25 108,0
GND on Bottom Layer "GND_L05_P-001" (solid, remove dead copper, pour order 104): 0,0 0,25 108,25 108,0
GND on Int2 (Sign) "GND_L05_P-001" (solid, remove dead copper, pour order 95): 0,0 0,25 108,25 108,0

## Keep-outs
Top Layer:
  rectangle: 0,21 100.2,23.5
Int1 (GND):
  region: 29.85,18.925 29.175,18.925 29.175,16.75 29.85,16.75
  region: 24.35,18.875 23.7,18.875 23.7,18.2 24.35,18.2
  region: 28.775,18.125 28.775,19.075 26.275,19.075 26.275,18.125
  region: 28.775,16.575 28.775,17.575 26.275,17.575 26.275,16.575
  region: 20.125,19.05 19.075,19.05 19.075,18.1 20.125,18.1
  region: 21.625,19.075 20.625,19.075 20.625,16.575 21.625,16.575
  region: 22.175,3.875 22.175,4.875 19.675,4.875 19.675,3.875
  region: 25.75,16.575 25.75,19.075 24.8,19.075 24.8,16.575
  region: 20.125,16.575 20.125,17.575 17.625,17.575 17.625,16.575
  region: 16.975,4.925 16.975,4.125 19.225,4.125 19.225,4.925
  region: 26.285,10.925 26.285,11.725 24.21,11.725 24.21,10.925
  region: 32.425,10.925 32.425,11.725 30.35,11.725 30.35,10.925
  region: 24.225,7.325 24.225,6.525 26.3,6.525 26.3,7.325
  region: 24.225,9.525 24.225,8.725 26.3,8.725 26.3,9.525
  region: 32.425,6.525 32.425,7.325 30.35,7.325 30.35,6.525
  region: 32.425,8.725 32.425,9.525 30.35,9.525 30.35,8.725
  region: 17.58,10.925 17.58,11.725 15.505,11.725 15.505,10.925
  region: 23.72,10.925 23.72,11.725 21.645,11.725 21.645,10.925
  region: 15.52,7.325 15.52,6.525 17.595,6.525 17.595,7.325
  region: 15.52,9.525 15.52,8.725 17.595,8.725 17.595,9.525
  region: 23.72,6.525 23.72,7.325 21.645,7.325 21.645,6.525
  region: 23.72,8.725 23.72,9.525 21.645,9.525 21.645,8.725
Int2 (Sign):
  region: 29.85,18.925 29.175,18.925 29.175,16.75 29.85,16.75
  region: 24.35,18.875 23.7,18.875 23.7,18.2 24.35,18.2
  region: 28.775,18.125 28.775,19.075 26.275,19.075 26.275,18.125
  region: 28.775,16.575 28.775,17.575 26.275,17.575 26.275,16.575
  region: 20.125,19.05 19.075,19.05 19.075,18.1 20.125,18.1
  region: 21.62,19.075 20.62,19.075 20.62,16.575 21.62,16.575
  region: 16.975,4.925 16.975,4.125 19.225,4.125 19.225,4.925
  region: 20.125,16.575 20.125,17.575 17.625,17.575 17.625,16.575
  region: 25.75,16.575 25.75,19.075 24.8,19.075 24.8,16.575
  region: 22.175,3.875 22.175,4.875 19.675,4.875 19.675,3.875
  region: 32.425,8.725 32.425,9.525 30.35,9.525 30.35,8.725
  region: 32.425,6.525 32.425,7.325 30.35,7.325 30.35,6.525
  region: 24.225,9.525 24.225,8.725 26.3,8.725 26.3,9.525
  region: 24.225,7.325 24.225,6.525 26.3,6.525 26.3,7.325
  region: 32.425,10.925 32.425,11.725 30.35,11.725 30.35,10.925
  region: 26.285,10.925 26.285,11.725 24.21,11.725 24.21,10.925
  region: 23.72,8.725 23.72,9.525 21.645,9.525 21.645,8.725
  region: 23.72,6.525 23.72,7.325 21.645,7.325 21.645,6.525
  region: 15.52,9.525 15.52,8.725 17.595,8.725 17.595,9.525
  region: 15.52,7.325 15.52,6.525 17.595,6.525 17.595,7.325
  region: 23.72,10.925 23.72,11.725 21.645,11.725 21.645,10.925
  region: 17.58,10.925 17.58,11.725 15.505,11.725 15.505,10.925
Bottom Layer:
  rectangle: 0,21 100.2,23.5

## Other copper
Top Layer:
  pour cut-out: 14.85,19.8 43.225,19.8 43.225,2.3 14.85,2.3
  pour cut-out: 45.125,12.225 49.625,12.225 49.625,16.725 45.125,16.725

## Silkscreen, mask and mechanical layers (free items; w line width, h text height)
Top Overlay:
  lines w0.1: 0,23.5 7.65,23.525
  text "Rev5_FE_Test / Non-Latched_V2" at -0.994,18.025 h1.5
  text "+VUSB" at 92,8.192 h1.5
  text "OUT_N" at 53.336,7.771 h1.2
  text "OUT_P" at 63.325,7.771 h1.2
  text "GND" at 93.349,6.192 h1.5
  text "CPL" at 76.029,5.9 h1.2 r90
  text "TERM" at 78.57,5.9 h1.2 r90
  text "ATTEN" at 81.098,5.9 h1.2 r90
  text "SCLK" at 83.638,5.9 h1.2 r90
  text "SDIO" at 86.178,5.9 h1.2 r90
  text "CSn" at 88.718,5.9 h1.2 r90
  text "SDA" at 91.258,5.9 h1.2 r90
  text "SCL" at 92.25,0.892 h1.2
Bottom Overlay:
  text "CP_IN" at 79.211,18.171 h1.2
  text "SDA_5V" at 63.611,17.721 h1.2
  text "+5V" at 88.72,16.403 h1.2
  text "TRIM4" at 44.771,15.6 h1.2 r270
  text "+VBIAS" at 68.498,14.088 h1.2 r270
  text "CP_OUT" at 80.09,13.446 h1.2
  text "-VBIAS" at 73.848,12.784 h1.2 r270
  text "+5V2" at 92.026,10.898 h1.2
  text "SCL_5V" at 63.611,10.521 h1.2
  text "VCM" at 51.582,10.373 h1.2
  text "-5V" at 81.13,9.953 h1.2
  text "PGA_CS4" at 45.921,9.85 h1.2 r270
  text "LDO" at 86.748,9.698 h1.2
  text "ATTEN" at 27.225,8.383 h1.2
  text "TERM" at 18.65,8.333 h1.2
  text "+5V" at 46.723,7.428 h1.2
  text "LDO" at 46.054,4.316 h1.2
  text "DC_CPL" at 28.825,3.358 h1.2
  text "+3V3_PGA" at 48.754,1.816 h1.2
Top Solder:
  region: -24.947,-4.571 -24.946,-4.568 -24.944,-4.569 -24.945,-4.574 -24.946,-4.574 -24.947,-4.573
  region: -24.949,-4.56 -24.948,-4.564 -24.949,-4.564 -24.95,-4.561
Board Outline:
  the board outline again, w0.1
DrillDrawing:
  text "Drilling Details." at 225.001,62.483 h1
  text ".LEGEND" at 225.25,-14.648 h1